# KiCad board zilpzalp.kicad_pcb
title: ilo; rev: v1.0.0; company: Unknown
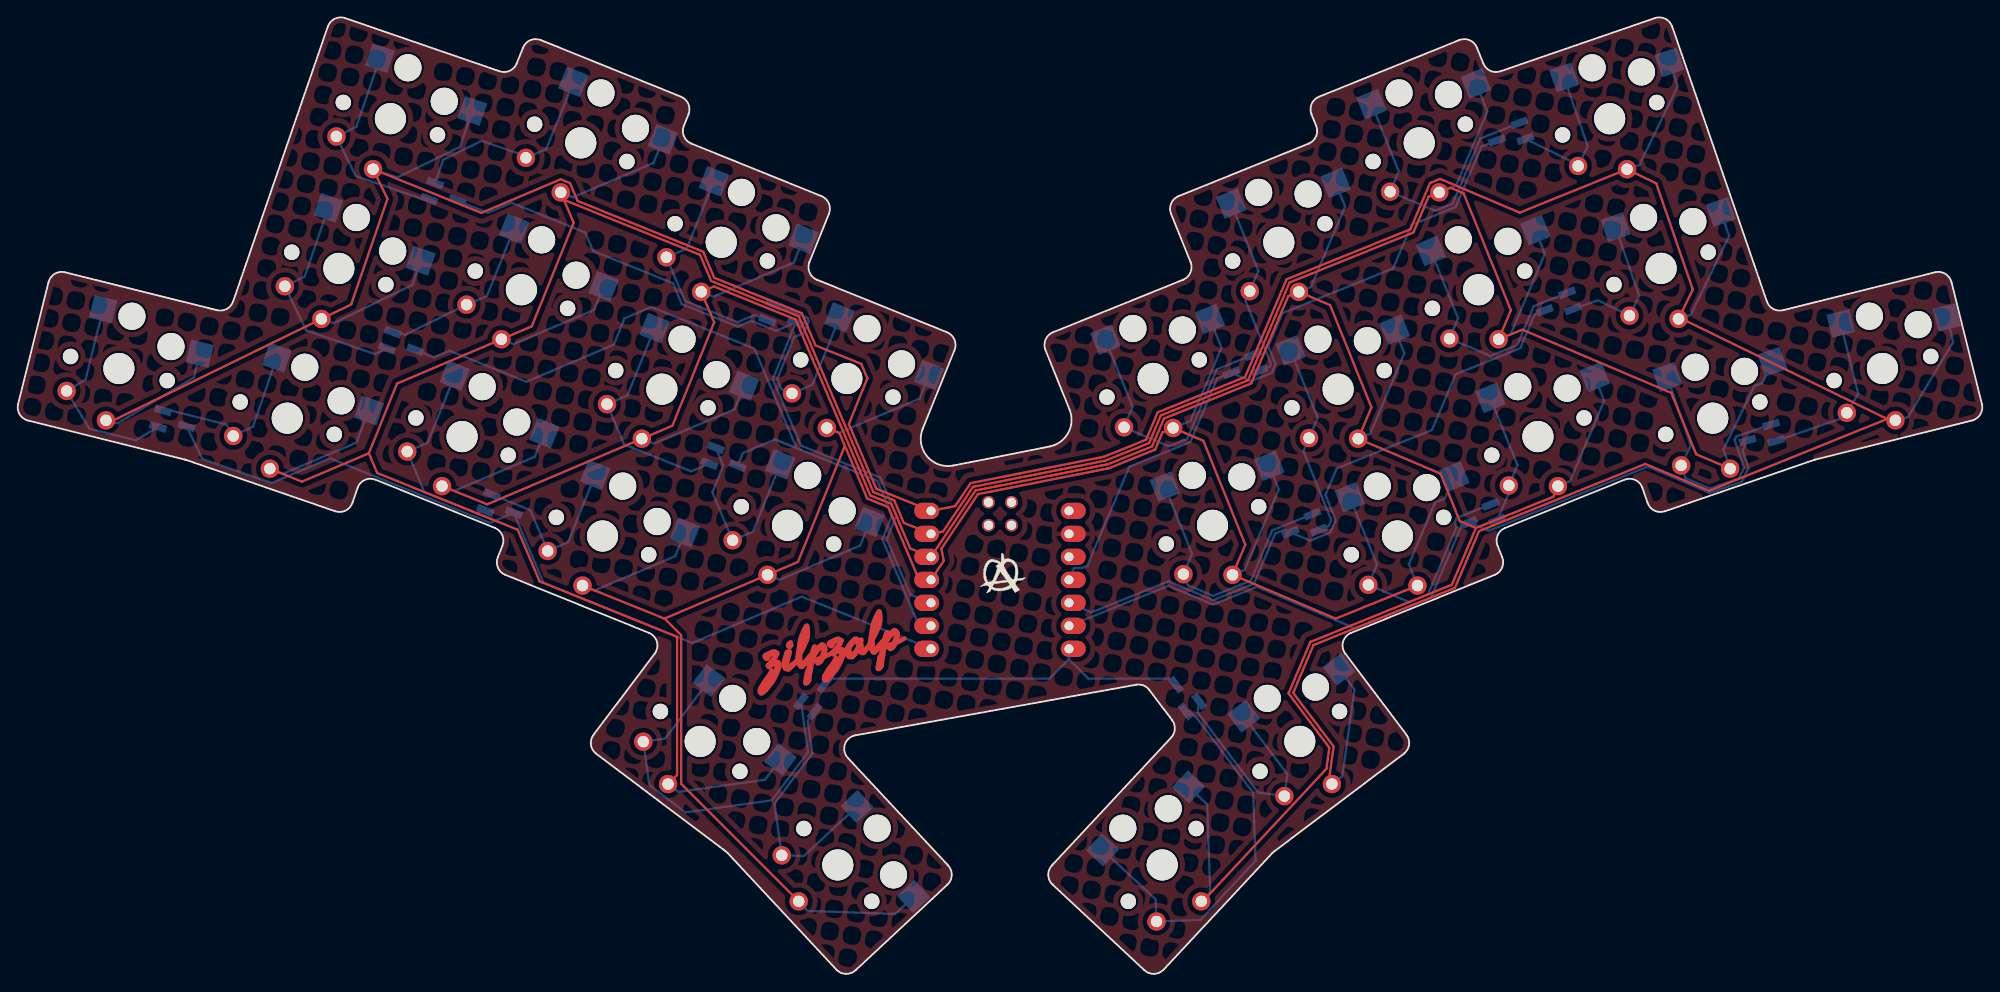
[diagram p0: board, top side]
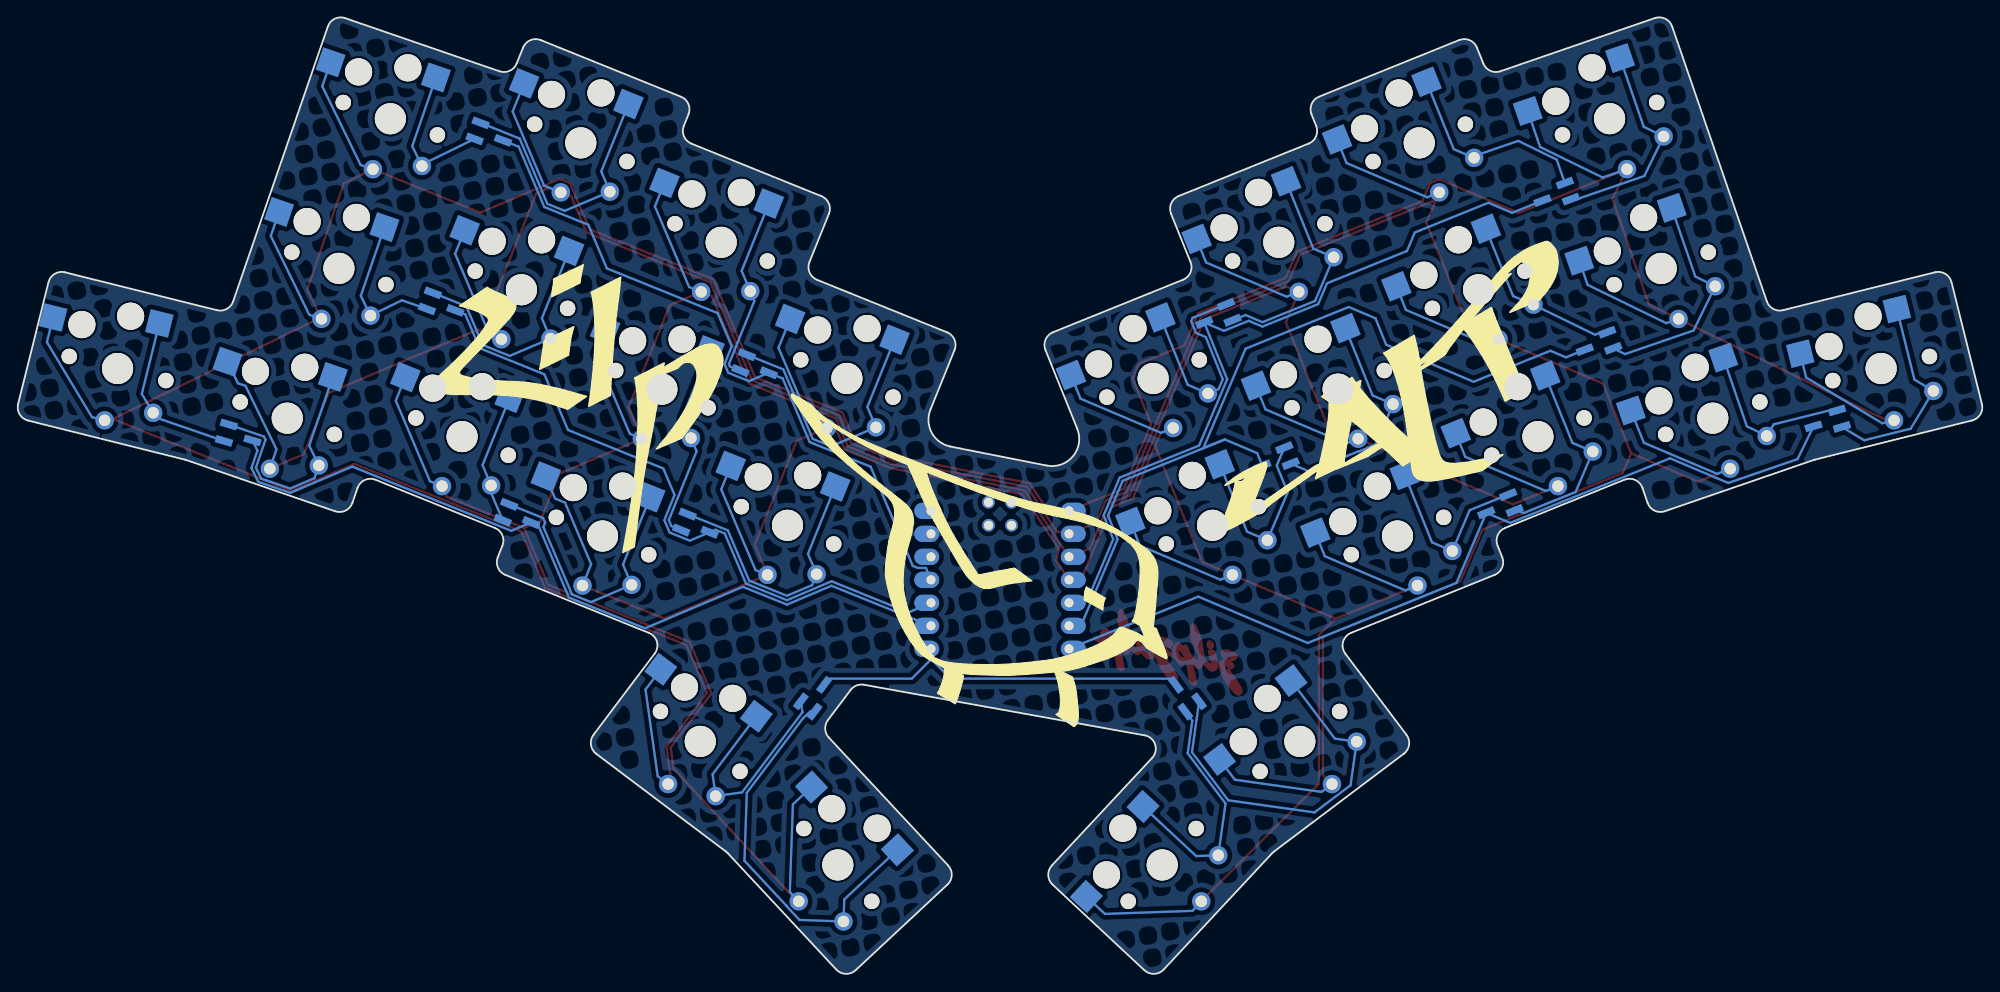
[diagram p1: board, bottom side, seen from below]

Outline 216.9 x 105.6 mm; copper layers: Top, Bottom. Coordinates in mm from the lower left corner of the outline.
Outline path: 0,62.96 3.36,76.42 arc(4.04,77.34) 5.17,77.51 21.97,73.33 arc(23.05,73.46) 23.75,74.29 34.21,104.67 arc(34.97,105.53) 36.12,105.6 53.18,99.72 arc(54.29,99.77) 55.06,100.58 55.78,102.34 arc(56.58,103.16) 57.73,103.17 73.21,96.91 arc(74.03,96.11) 74.04,94.96 73.53,93.69 arc(73.54,92.54) 74.36,91.73 88.73,85.93 arc(89.55,85.12) 89.56,83.98 87.4,78.64 arc(87.41,77.5) 88.23,76.69 102.6,70.88 arc(103.42,70.08) 103.43,68.93 99.91,60.23 arc(100.38,57.19) 103.28,56.16 113.93,58.27 arc(115.99,59.78) 116.13,62.34 113.47,68.93 arc(113.48,70.08) 114.3,70.88 128.67,76.69 arc(129.49,77.5) 129.5,78.64 127.34,83.98 arc(127.35,85.12) 128.17,85.93 142.54,91.73 arc(143.36,92.54) 143.37,93.69 142.86,94.96 arc(142.87,96.11) 143.69,96.91 159.17,103.17 arc(160.32,103.16) 161.12,102.34 161.84,100.58 arc(162.6,99.77) 163.72,99.72 180.78,105.6 arc(181.93,105.53) 182.69,104.67 193.15,74.29 arc(193.85,73.46) 194.93,73.33 211.72,77.51 arc(212.86,77.34) 213.54,76.42 216.9,62.96 arc(216.73,61.82) 215.81,61.14 198.47,56.82 arc(198.4,56.8) 198.34,56.78 181.88,51.11 arc(180.74,51.18) 179.98,52.04 179.41,53.7 arc(178.61,54.57) 177.43,54.6 164.23,49.27 arc(163.41,48.46) 163.4,47.31 163.92,46.04 arc(163.91,44.89) 163.09,44.09 147.23,37.68 arc(146.34,36.69) 146.59,35.38 153.34,26.42 arc(153.63,25.31) 153.05,24.32 138.72,13.52 arc(138.62,13.44) 138.52,13.35 126.52,0.48 arc(125.48,0) 124.4,0.4 114.26,9.86 arc(113.78,10.91) 114.18,11.98 127.36,26.11 arc(127.76,27.06) 127.46,28.04 124.94,31.37 arc(124.29,31.87) 123.48,31.95 92.48,26.36 arc(91.32,25.36) 91.65,23.86 102.72,11.98 arc(103.12,10.91) 102.64,9.86 92.5,0.4 arc(91.42,0) 90.38,0.48 78.38,13.35 arc(78.28,13.44) 78.18,13.52 63.85,24.32 arc(63.27,25.31) 63.56,26.42 70.31,35.38 arc(70.56,36.69) 69.67,37.68 53.81,44.09 arc(52.99,44.89) 52.98,46.04 53.5,47.31 arc(53.49,48.46) 52.67,49.27 39.47,54.6 arc(38.29,54.57) 37.49,53.7 36.92,52.04 arc(36.16,51.18) 35.02,51.11 18.56,56.78 arc(18.5,56.8) 18.43,56.82 1.09,61.14 arc(0.17,61.82) 0,62.96

## Placement (name value [footprint] x y rotation side)
D01  BAV70_Small  [SOT-23_Handsoldering]  47.13 85.96 339.5 bottom
D02  BAV70_Small  [SOT-23_Handsoldering]  84.5 72.54 338 bottom
D03  BAV70_Small  [SOT-23_Handsoldering]  42.46 69.48 339.5 bottom
D04  BAV70_Small  [SOT-23_Handsoldering]  78.08 56.7 338 bottom
D05  BAV70_Small  [SOT-23_Handsoldering]  17.16 60.92 343.5 bottom
D06  BAV70_Small  [SOT-23_Handsoldering]  53.35 51.51 338 bottom
D07  BAV70_Small  [SOT-23_Handsoldering]  88.12 30.74 53 bottom
D08  BAV70_Small  [SOT-23_Handsoldering]  128.78 30.75 127 bottom
D09  BAV70_Small  [SOT-23_Handsoldering]  161.63 50.44 202 bottom
D10  BAV70_Small  [SOT-23_Handsoldering]  192.45 59.37 196.5 bottom
D11  BAV70_Small  [SOT-23_Handsoldering]  141.91 49.36 202 bottom
D12  BAV70_Small  [SOT-23_Handsoldering]  170.01 73.84 200.5 bottom
D13  BAV70_Small  [SOT-23_Handsoldering]  135.38 66.98 202 bottom
D14  BAV70_Small  [SOT-23_Handsoldering]  164.74 92.62 200.5 bottom
SW1  SW_Push  [SW_Kailh_choc_hs_plus_solder_no_silk]  41.12 94.49 341 top
SW2  SW_Push  [SW_Kailh_choc_hs_plus_solder_no_silk]  62.15 91.81 338 top
SW3  SW_Push  [SW_Kailh_choc_hs_plus_solder_no_silk]  77.66 80.83 338 top
SW4  SW_Push  [SW_Kailh_choc_hs_plus_solder_no_silk]  91.54 65.78 338 top
SW5  SW_Push  [SW_Kailh_choc_hs_plus_solder_no_silk]  35.42 77.94 341 top
SW6  SW_Push  [SW_Kailh_choc_hs_plus_solder_no_silk]  55.59 75.59 338 top
SW7  SW_Push  [SW_Kailh_choc_hs_plus_solder_no_silk]  71.1 64.6 338 top
SW8  SW_Push  [SW_Kailh_choc_hs_plus_solder_no_silk]  84.98 49.56 338 top
SW9  SW_Push  [SW_Kailh_choc_hs_plus_solder_no_silk]  11.13 66.88 346 top
SW10  SW_Push  [SW_Kailh_choc_hs_plus_solder_no_silk]  29.73 61.4 341 top
SW11  SW_Push  [SW_Kailh_choc_hs_plus_solder_no_silk]  49.04 59.36 338 top
SW12  SW_Push  [SW_Kailh_choc_hs_plus_solder_no_silk]  64.55 48.38 338 top
SW13  SW_Push  [SW_Kailh_choc_hs_plus_solder_no_silk]  75.33 25.68 323 top
SW14  SW_Push  [SW_Kailh_choc_hs_plus_solder_no_silk]  90.53 12.04 313 top
SW15  SW_Push  [SW_Kailh_choc_hs_plus_solder_no_silk]  126.37 12.04 47 top
SW16  SW_Push  [SW_Kailh_choc_hs_plus_solder_no_silk#3]  141.56 25.69 37 top
SW17  SW_Push  [SW_Kailh_choc_hs_plus_solder_no_silk#2]  152.35 48.38 22 top
SW18  SW_Push  [SW_Kailh_choc_hs_plus_solder_no_silk#2]  167.86 59.36 22 top
SW19  SW_Push  [SW_Kailh_choc_hs_plus_solder_no_silk]  187.17 61.4 19 top
SW20  SW_Push  [SW_Kailh_choc_hs_plus_solder_no_silk#2]  205.92 66.89 14 top
SW21  SW_Push  [SW_Kailh_choc_hs_plus_solder_no_silk#2]  131.92 49.56 22 top
SW22  SW_Push  [SW_Kailh_choc_hs_plus_solder_no_silk#2]  145.79 64.6 22 top
SW23  SW_Push  [SW_Kailh_choc_hs_plus_solder_no_silk#2]  161.31 75.59 22 top
SW24  SW_Push  [SW_Kailh_choc_hs_plus_solder_no_silk]  181.47 77.95 19 top
SW25  SW_Push  [SW_Kailh_choc_hs_plus_solder_no_silk#2]  125.36 65.79 22 top
SW26  SW_Push  [SW_Kailh_choc_hs_plus_solder_no_silk#2]  139.25 80.82 22 top
SW27  SW_Push  [SW_Kailh_choc_hs_plus_solder_no_silk#2]  154.75 91.82 22 top
SW28  SW_Push  [SW_Kailh_choc_hs_plus_solder_no_silk]  175.79 94.48 19 top
U1  xiao  [xiao-tht]  108.45 43.53 0 top

## Library data of the parts
D01 D02 D03 D04 D05 D06 D07 D08 D09-D14 = -: Description: Dual 100V 215mA high-speed switching diodes, common cathode, SOT-23
SW1-SW28 = -: Description: Push button switch, generic, two pins

## Footprints (pads in the part's own frame, mm; a bottom-side part is the same pattern mirrored in y, then rotated)
SOT-23_Handsoldering
  rect 1.9x0.8 smd: 1(-1.5,0.95) 2(-1.5,-0.95) 3(1.5,0)
SW_Kailh_choc_hs_plus_solder_no_silk
  round 1.702 hole 1.702 unplated: (-5.5,0) (5.5,0)
  round 3 hole 3 unplated: (0,5.95) (5,3.75)
  round 3.429 hole 3.429 unplated: (0,0)
  round 2.032 hole 1.27: 1(0,-5.9) 2(-5,-3.8)
  rect 2.6x2.6 smd far side: 1(8.275,3.75) 2(-3.275,5.95)
SW_Kailh_choc_hs_plus_solder_no_silk#2
  round 1.702 hole 1.702 unplated: (-5.5,0) (5.5,0)
  round 3 hole 3 unplated: (0,5.95) (5,3.75)
  round 3.429 hole 3.429 unplated: (0,0)
  round 2.032 hole 1.27: 1(0,-5.9) 2(-5,-3.8)
  rect 2.6x2.6 smd far side: 1(8.275,3.75) 2(-3.275,5.95)
SW_Kailh_choc_hs_plus_solder_no_silk#3
  round 1.702 hole 1.702 unplated: (-5.5,0) (5.5,0)
  round 3 hole 3 unplated: (0,5.95) (5,3.75)
  round 3.429 hole 3.429 unplated: (0,0)
  round 2.032 hole 1.27: 1(0,-5.9) 2(-5,-3.8)
  rect 2.6x2.6 smd far side: 1(8.275,3.75) 2(-3.275,5.95)
xiao-tht
  oval 2.75x1.8 hole 1: 1(-7.62,7.62) 2(-7.62,5.08) 3(-7.62,2.54) 4(-7.62,0) 5(-7.62,-2.54) 6(-7.62,-5.08) 7(-7.62,-7.62) 8(7.62,-7.62) 9(7.62,-5.08) 10(7.62,-2.54) 11(7.62,0) 12(7.62,2.54) 13(7.62,5.08) 14(7.62,7.62)
  round 1.397 hole 1.016: 15(-1.27,8.572) 16(1.27,8.572) 17(-1.27,6.032) 18(1.27,6.032)

## Nets
gnd: U1.13
c1: SW1.1 SW5.1 SW9.1 SW16.1 SW20.1 SW24.1 SW28.1 U1.1
c2: SW2.1 SW6.1 SW10.1 SW13.1 SW19.1 SW23.1 SW27.1 U1.2
c3: SW3.1 SW7.1 SW11.1 SW15.1 SW18.1 SW22.1 SW26.1 U1.3
c4: SW4.1 SW8.1 SW12.1 SW14.1 SW17.1 SW21.1 SW25.1 U1.4
r1: D01.3 D02.3 U1.5
r2: D03.3 D04.3 U1.6
r3: D05.3 D06.3 U1.7
r4: D07.3 D08.3 U1.8
r5: D09.3 D10.3 U1.9
r6: D11.3 D12.3 U1.10
r7: D13.3 D14.3 U1.11
Net-(D01-A1): D01.1 SW1.2
Net-(D01-A2): D01.2 SW2.2
Net-(D02-A1): D02.1 SW3.2
Net-(D02-A2): D02.2 SW4.2
Net-(D03-A1): D03.1 SW5.2
Net-(D03-A2): D03.2 SW6.2
Net-(D04-A1): D04.1 SW7.2
Net-(D04-A2): D04.2 SW8.2
Net-(D05-A1): D05.1 SW9.2
Net-(D05-A2): D05.2 SW10.2
Net-(D06-A1): D06.1 SW11.2
Net-(D06-A2): D06.2 SW12.2
Net-(D07-A1): D07.1 SW14.2
Net-(D07-A2): D07.2 SW13.2
Net-(D08-A1): D08.1 SW16.2
Net-(D08-A2): D08.2 SW15.2
Net-(D09-A1): D09.1 SW17.2
Net-(D09-A2): D09.2 SW18.2
Net-(D10-A1): D10.1 SW19.2
Net-(D10-A2): D10.2 SW20.2
Net-(D11-A1): D11.1 SW21.2
Net-(D11-A2): D11.2 SW22.2
Net-(D12-A1): D12.1 SW23.2
Net-(D12-A2): D12.2 SW24.2
Net-(D13-A1): D13.1 SW25.2
Net-(D13-A2): D13.2 SW26.2
Net-(D14-A1): D14.1 SW27.2
Net-(D14-A2): D14.2 SW28.2

Pads without a net: U1 12 14 15 16 17 18

## Routing (per net, layer and track width the routed paths; a pad name or vN(x,y) marks a point on that pad's centre or on a via; arc(x,y) is an arc through that point)
c1: length 462
  Top w0.25: 144.62,21.43 SW16.1 144.78,21.41 145.3,25.12 140.83,31.05 143.08,36.33 158.7,42.64 161.36,48.92 179.73,56.34 186.75,53.36 206.71,61.43 SW20.1 206.99,61.04 183.61,72.44 SW24.1 184.97,75.61 180.93,87.33 SW28.1 165.84,84.11 157.06,87.83 155.94,87.38 153.77,82.27 140.1,76.74 135.51,65.94 127.6,62.74 127.59,62.74 125.87,62.05 124.59,59.02 119.92,57.14 105.2,54.22 103.5,51.68 U1.1 94.8,53.59 91.76,60.75 93.8,65.8 93.12,67.4 88.07,69.44 86.56,73 76.89,76.91 75.66,79.79 61.8,85.39 60.95,87.38 59.92,87.79 51.16,84.08 SW1.1 40.8,85.63 36.78,73.96 SW5.1 10.19,60.99 SW9.1
  Bottom w0.25: SW28.1 179.07,89.37 183.31,98.06 SW28.1 ; SW9.1 19.41,65.89 11,60.84 SW9.1 ; SW16.1 147.6,31.42 146.26,21.84 SW16.1 ; SW1.1 41.88,87.99 48.8,91.36 SW1.1 ; SW20.1 213.72,69.8 208.74,61.51 SW20.1 ; SW5.1 34.86,71.9 43.55,76.14 SW5.1 ; SW24.1 184.75,72.84 188.99,81.53 SW24.1
c2: length 394.2
  Top w0.25: 38.74,57.52 39.67,55.34 55.18,49.07 57.6,43.37 72.78,37.24 72.78,21.97 SW13.1 ; 38.74,57.52 41.85,65.22 SW6.1 56.73,71.54 61.36,82.99 SW2.1 60.29,85.52 75.32,79.44 76.55,76.56 86.22,72.65 94.45,53.24 96.77,52.31 97.82,49.83 U1.2 102.16,48.88 105.47,53.82 120.11,56.71 124.92,58.66 126.21,61.7 127.59,62.25 127.59,62.25 135.86,65.59 140.44,76.4 154.11,81.92 155.79,85.87 158.22,86.85 159.66,86.24 164.88,73.32 SW23.1 166.14,71.18 182.6,64.19 185.34,57.41 SW19.1 ; 38.74,57.52 31.35,54.38 SW10.1
  Bottom w0.25: SW10.1 29.23,55.24 37.33,58.68 SW10.1 ; SW2.1 70.17,89.58 61.27,85.81 SW2.1 ; SW19.1 192.61,65.25 191.78,64.96 188.36,57.95 SW19.1 ; SW13.1 72.93,20.11 82.51,21.45 SW13.1 ; SW6.1 54.71,69.58 63.61,73.36 SW6.1 ; SW23.1 164.85,70.66 168.63,79.56 SW23.1 ; SW27.1 158.81,87.09 162.28,95.27 SW27.1
c3: length 345.7
  Top w0.25: 161.02,49.27 159.23,50.03 157.11,55.27 SW22.1 149.47,62.59 144.91,73.89 SW26.1 140.29,74.88 136.2,65.24 127.59,61.77 127.58,61.77 126.55,61.35 125.25,58.28 120.37,56.31 105.74,53.41 U1.3 98.53,47 96.44,51.93 94.13,52.86 85.87,72.3 76.85,75.95 SW3.1 76.88,71.98 72.27,60.56 SW7.1 51.81,51.88 SW11.1 ; 161.02,49.27 169.58,52.73 SW18.1 ; 161.02,49.27 158.35,42.99 142.73,36.68 140.33,31.01 140.36,30.92 144.77,25.07 144.82,24.95 144.5,22.66 130.85,8.02 SW15.1
  Bottom w0.25: SW11.1 48.16,53.35 57.06,57.13 SW11.1 ; SW26.1 146.57,84.79 142.79,75.89 SW26.1 ; SW22.1 153.12,68.57 149.34,59.67 SW22.1 ; SW15.1 131.66,9.07 131.32,18.73 SW15.1 ; SW18.1 175.19,63.33 171.41,54.43 SW18.1 ; SW3.1 85.68,78.6 76.78,74.82 SW3.1 ; SW7.1 70.23,58.59 79.13,62.37 SW7.1
c4: length 272.8
  Top w0.25: 91.32,58.34 90.71,59.75 SW4.1 ; 91.32,58.34 86.14,45.52 SW8.1 71.38,39.25 ; 91.32,58.34 93.79,52.51 96.1,51.58 99.24,44.17 U1.4 102.24,45.64 101.97,46.98 106.01,53 120.32,55.84 120.37,55.82 125.59,57.93 126.4,59.84 SW25.1 130.91,58.9 135.54,47.42 SW21.1 145.52,39.25 SW17.1 ; 71.38,39.25 SW12.1 ; 71.38,39.25 71.41,39.25 73.23,37.43 73.23,21 SW14.1
  Bottom w0.25: SW17.1 157.58,52.51 156.5,52.07 153.61,45.26 SW17.1 ; SW21.1 135.46,44.63 139.24,53.53 SW21.1 ; SW8.1 84.1,43.55 93,47.33 SW8.1 ; SW4.1 99.56,63.55 90.66,59.78 SW4.1 ; SW14.1 87.2,6.96 96.86,6.63 SW14.1 ; SW25.1 132.91,69.18 129.48,61.09 SW25.1 ; SW12.1 72.57,46.15 63.67,42.37 SW12.1
r1: length 83.7
  Bottom w0.25: D01.3 51.88,84.08 54.5,85.2 62.63,81.91 63.5,79.87 72.33,76.3 73.31,74 79.46,71.51 80.97,72.16 83.71,71.05 D02.3 83.36,65.69 86.47,58.37 95.24,54.82 97.01,50.66 95.94,48.03 98.53,41.92 U1.5
r2: length 92.8
  Bottom w0.25: D03.3 45.93,68.12 47.65,68.85 56.13,65.42 65.8,69.52 66.98,72.43 69.92,73.68 81.32,69.07 85.99,58.09 83.61,59.05 ; U1.6 99.24,39.09 95.45,48.02 96.52,50.65 94.9,54.48 83.6,59.04 80.04,57.53 D04.3
r3: length 95.7
  Bottom w0.25: D05.3 20.37,56.87 28.01,54.24 34.44,56.97 52.1,49.83 D06.3 58.03,43.2 74.47,36.56 86.54,41.69 U1.7
r4: length 43.5
  Bottom w0.25: D08.3 127.2,32.62 118.19,32.62 116.07,34.75 U1.8 116.07,34.78 113.91,32.62 89.7,32.62 D07.3
r5: length 90.3
  Bottom w0.25: D10.3 190.46,57.81 191.12,55.9 190.38,54.37 186.84,53.15 179.99,56.05 162.42,48.95 D09.3 159.45,49.56 156.06,41.58 147.65,38.18 136.84,42.77 131.97,40.8 127.06,42.88 116.08,38.45 U1.9
r6: length 73.3
  Bottom w0.25: U1.10 118.55,39.94 127.05,43.38 131.98,41.29 136.5,43.11 138.85,48.66 139.87,49.07 142.7,47.87 144.94,48.77 145.52,50.13 144.4,52.92 145.64,55.84 156.17,60.1 158.78,66.25 165.92,69.13 167.51,72.87 D12.3
r7: length 76.2
  Bottom w0.25: D14.3 161.61,91.39 158.78,84.73 153.92,82.77 151.87,77.95 139.64,73.01 138.08,69.34 138.88,67.38 138.47,66.42 136.17,65.49 D13.3 132.45,65.79 131.86,64.4 129.47,58.76 122.74,56.04 118.09,45.08 117.53,44.85 116.63,44.85 U1.11
Net-(D01-A1): length 24
  Bottom w0.25: SW1.2 37.35,93.59 SW1.2 ; 35.16,92.51 37.29,88.15 44.95,85.51 45.46,85.76
Net-(D01-A2): length 23
  Bottom w0.25: 56.15,90.33 51.2,92.03 46.96,89.96 46.12,87.54 ; SW2.2 58.33,91.12 SW2.2
Net-(D02-A1): length 25.5
  Bottom w0.25: D02.1 81.32,72.79 79.45,72 73.65,74.34 SW3.2 73.85,80.13 SW3.2
Net-(D02-A2): length 24.9
  Bottom w0.25: SW4.2 87.72,65.09 SW4.2 84.31,64.61 83.84,65.7 85.73,70.36 86.8,70.82 87.33,72.12 87.18,72.48 D02.2
Net-(D03-A1): length 25.4
  Bottom w0.25: 40.73,69.12 39.41,68.48 31.85,71.08 29.46,75.97 ; SW5.2 31.65,77.05 SW5.2
Net-(D03-A2): length 19.4
  Bottom w0.25: SW6.2 51.78,74.89 SW6.2 ; 49.54,73.94 42.73,70.62 41.45,71.06
Net-(D04-A1): length 25.5
  Bottom w0.25: SW7.2 67.29,63.9 SW7.2 66.93,58.51 67.86,58.13 67.88,58.1 68.91,57.68 68.95,57.7 74.32,55.52 D04.1
Net-(D04-A2): length 21.5
  Bottom w0.25: D04.2 77.88,56.17 76.68,53.19 78.82,48.14 78.99,48.07 ; SW8.2 81.17,48.86 SW8.2
Net-(D05-A1): length 23.5
  Bottom w0.25: 15.48,60.45 13,58.95 7.87,60.23 5.38,64.38 ; SW9.2 7.45,65.66 SW9.2
Net-(D05-A2): length 19.1
  Bottom w0.25: 16.06,62.42 16.09,62.43 22.99,60.71 23.63,59.64 23.83,59.59 ; SW10.2 25.95,60.5 SW10.2
Net-(D06-A1): length 22.7
  Bottom w0.25: SW11.2 45.22,58.67 SW11.2 44.88,53.23 50.62,50.91 51.67,51.36
Net-(D06-A2): length 20
  Bottom w0.25: SW12.2 60.74,47.68 SW12.2 ; 58.56,46.89 58.39,46.96 56.58,51.23 52.48,52.89 52.38,53.12
Net-(D07-A1): length 28.1
  Bottom w0.25: D07.1 87.21,27.97 87.72,24.37 83.54,18.83 SW14.2 86.78,13.02 SW14.2
Net-(D07-A2): length 42.3
  Bottom w0.25: SW13.2 71.47,26 SW13.2 69.73,20.84 73.71,17.84 83.25,19.18 87.25,24.49 D07.2
Net-(D08-A1): length 25.7
  Bottom w0.25: SW16.2 140.19,22.06 SW16.2 136.94,20.05 130.27,28.9 D08.1
Net-(D08-A2): length 43.7
  Bottom w0.25: D08.2 129.4,28.99 130.21,28.24 136.41,20.01 136.68,12.5 132.04,7.53 132.04,7.51 130.6,5.96 SW15.2 125.65,8.23 SW15.2
Net-(D09-A1): length 30.9
  Bottom w0.25: SW17.2 150.09,45.23 SW17.2 153.62,41.08 155.72,41.93 158.88,49.38 158.69,49.85 158.91,50.37 D09.1 162.67,51.9 162.68,51.89 162.66,51.89
Net-(D09-A2): length 14.6
  Bottom w0.25: SW18.2 165.61,56.21 SW18.2 164.83,53.54 D09.2
Net-(D10-A1): length 27.3
  Bottom w0.25: SW19.2 184.75,58.37 SW19.2 184.17,54.77 186.85,53.63 190.06,54.73 190.64,55.93 189.58,59.01 189.75,59.37 D10.1
Net-(D10-A2): length 19
  Bottom w0.25: SW20.2 203.24,64.08 SW20.2 201.74,61.49 D10.2
Net-(D11-A1): length 30.1
  Bottom w0.25: SW21.2 129.66,46.41 SW21.2 129.2,42.95 131.98,41.77 136.16,43.46 138.51,49.01 D11.1
Net-(D11-A2): length 22.2
  Bottom w0.25: SW22.2 143.54,61.45 SW22.2 141.96,57.74 145.03,50.14 144.75,49.48 D11.2
Net-(D12-A1): length 27.2
  Bottom w0.25: SW23.2 159.05,72.44 SW23.2 162.61,68.28 165.58,69.48 167.4,73.76 D12.1
Net-(D12-A2): length 17.2
  Bottom w0.25: D12.2 174.51,74.42 SW24.2 179.05,74.92 SW24.2
Net-(D13-A1): length 30.7
  Bottom w0.25: D13.1 132.39,66.79 129.13,59.11 127.1,58.29 SW25.2 123.1,62.64 SW25.2
Net-(D13-A2): length 20.7
  Bottom w0.25: SW26.2 136.99,77.67 SW26.2 135.58,74.35 138.39,67.38 138.28,67.12 D13.2
Net-(D14-A1): length 30.4
  Bottom w0.25: D14.1 161.5,92.29 158.44,85.08 156.52,84.3 SW27.2 152.49,88.67 SW27.2
Net-(D14-A2): length 17.1
  Bottom w0.25: SW28.2 173.37,91.45 SW28.2 172.23,89.44 D14.2

## Copper pours and planes (outline as drawn; the poured copper is in the pictures)
gnd on Top, Bottom: 92.7,25.31 123.7,31.11 126.3,27.31 111.2,11.31 125.8,-2.09 139.2,12.61 155.4,25.11 147.4,36.71 166.1,44.51 164.5,48.31 177.9,53.51 180,49.31 198.7,55.81 219,60.51 214.4,79.61 194.3,74.91 183.4,108.31 163.6,101.71 161.9,106.11 139.8,97.51 141.4,93.31 125.1,86.51 127.9,78.11 111,71.01 114.8,61.01 101.8,58.81 105.8,71.81 89.1,78.11 92,86.61 74.8,92.91 76.5,97.81 55.3,105.61 53.5,101.41 33.5,108.01 22.7,75.31 2.3,79.61 -2.7,60.01 17.8,55.11 37,48.61 38.8,52.51 52,48.01 51.1,43.51 68.5,36.11 60.8,26.31 77.3,12.91 91.4,-2.19 105.8,10.81

Small or netless copper shapes (teardrops, artwork), in the pictures only: 9 on Top
